# Altium PCB testjig-v1.PCBDOC (part 1 of 3)
Units mm, origin at the board's own origin, x right, y up, seen from the top; angles counter-clockwise.
Board outline 204.5 x 173.5 mm, 4 copper layers (L1, L2, L5, L6), stack 1.641 mm thick; 190 components, 128 nets, 1101 pads, 334 vias.
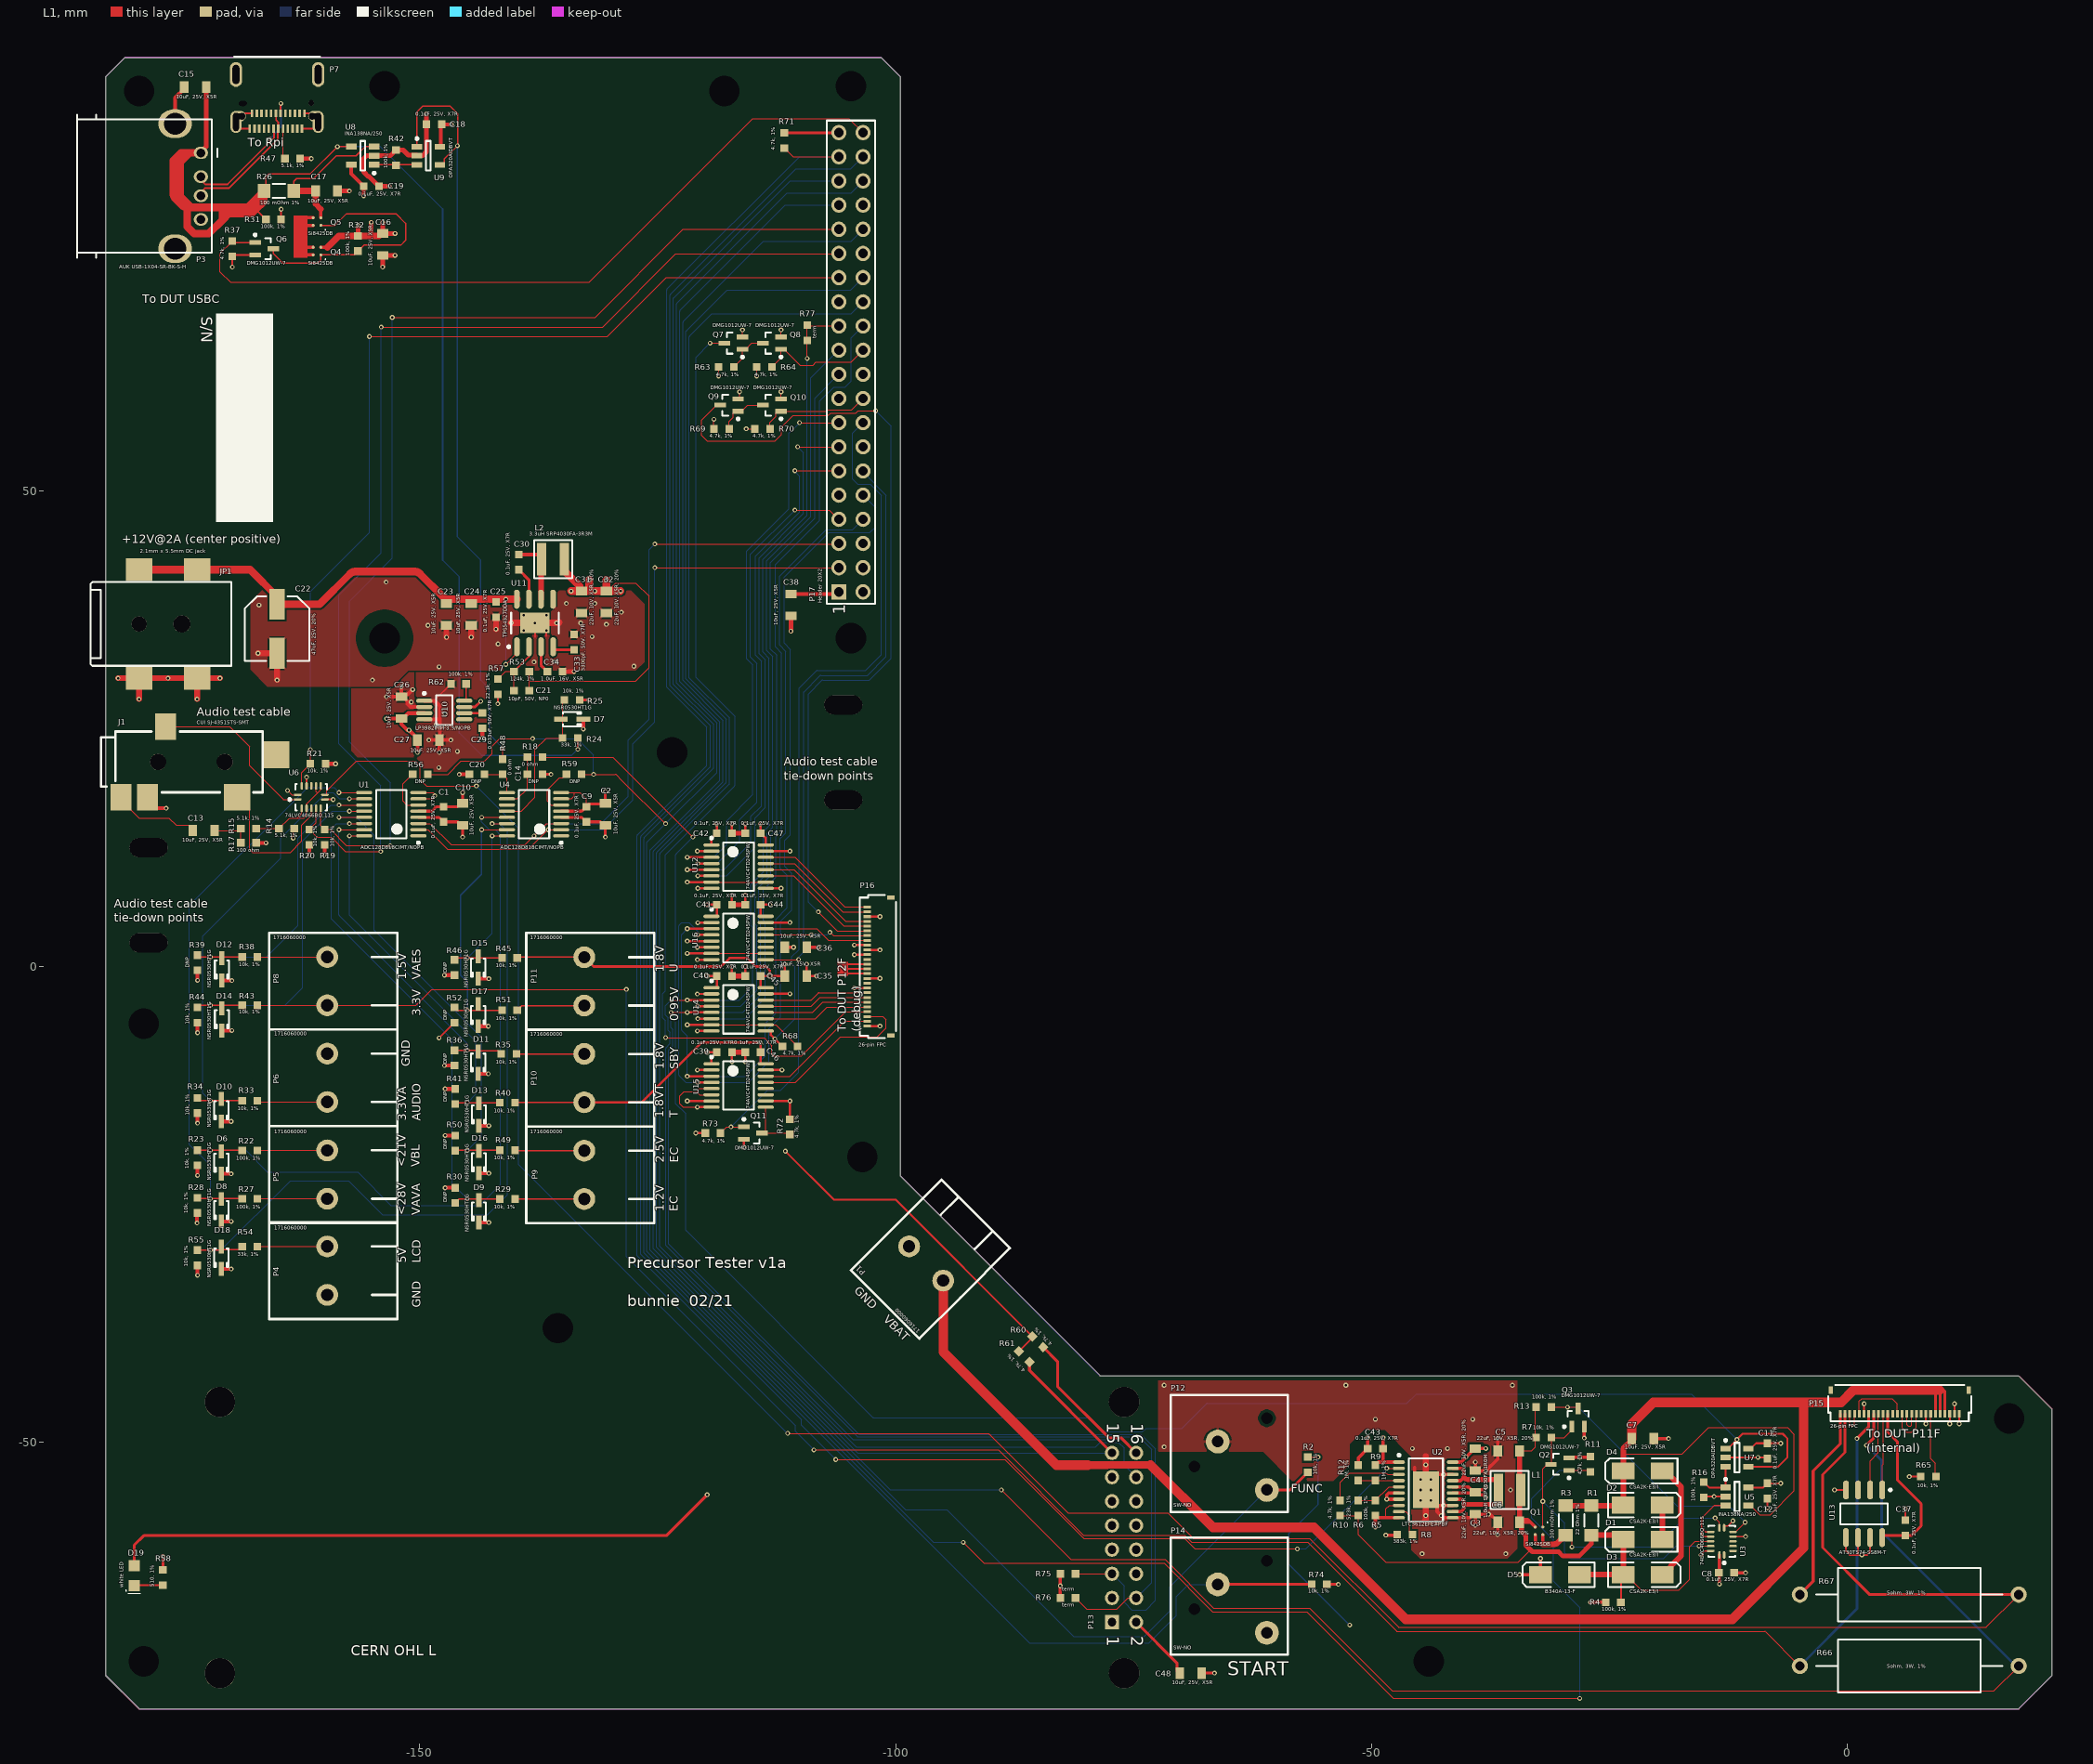
[diagram p0: L1 view]
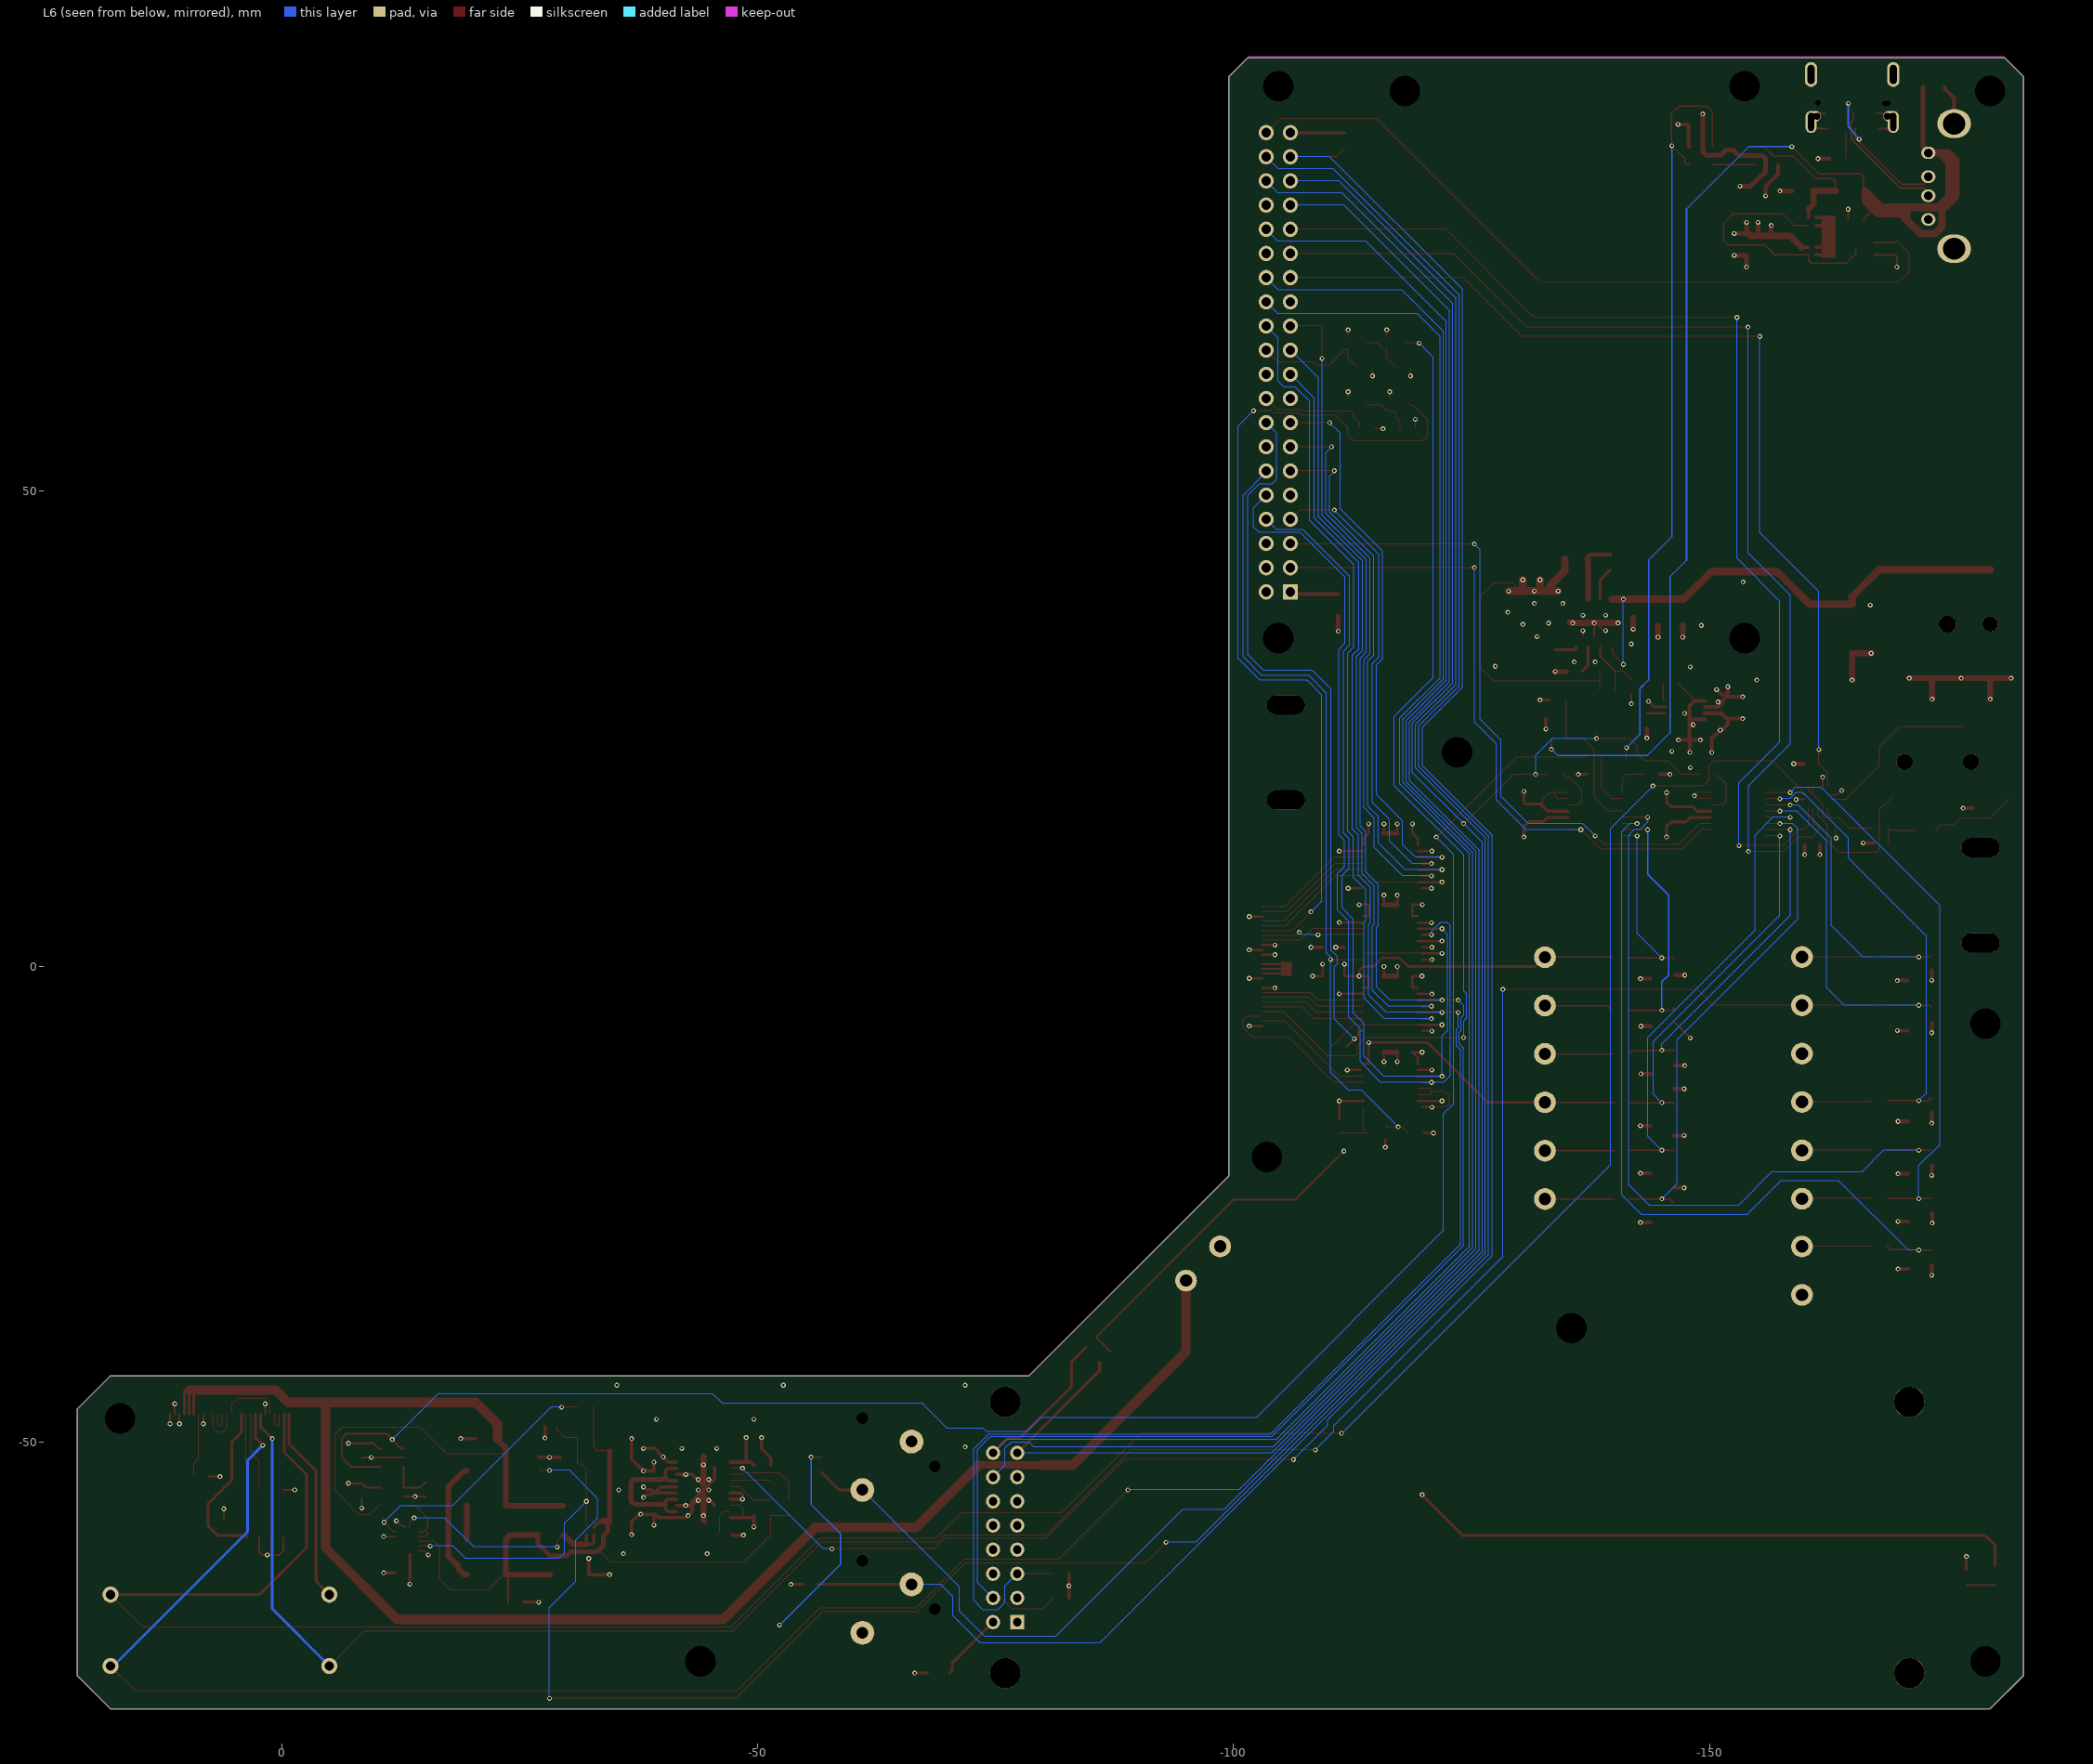
[diagram p1: L6 view, seen from below]
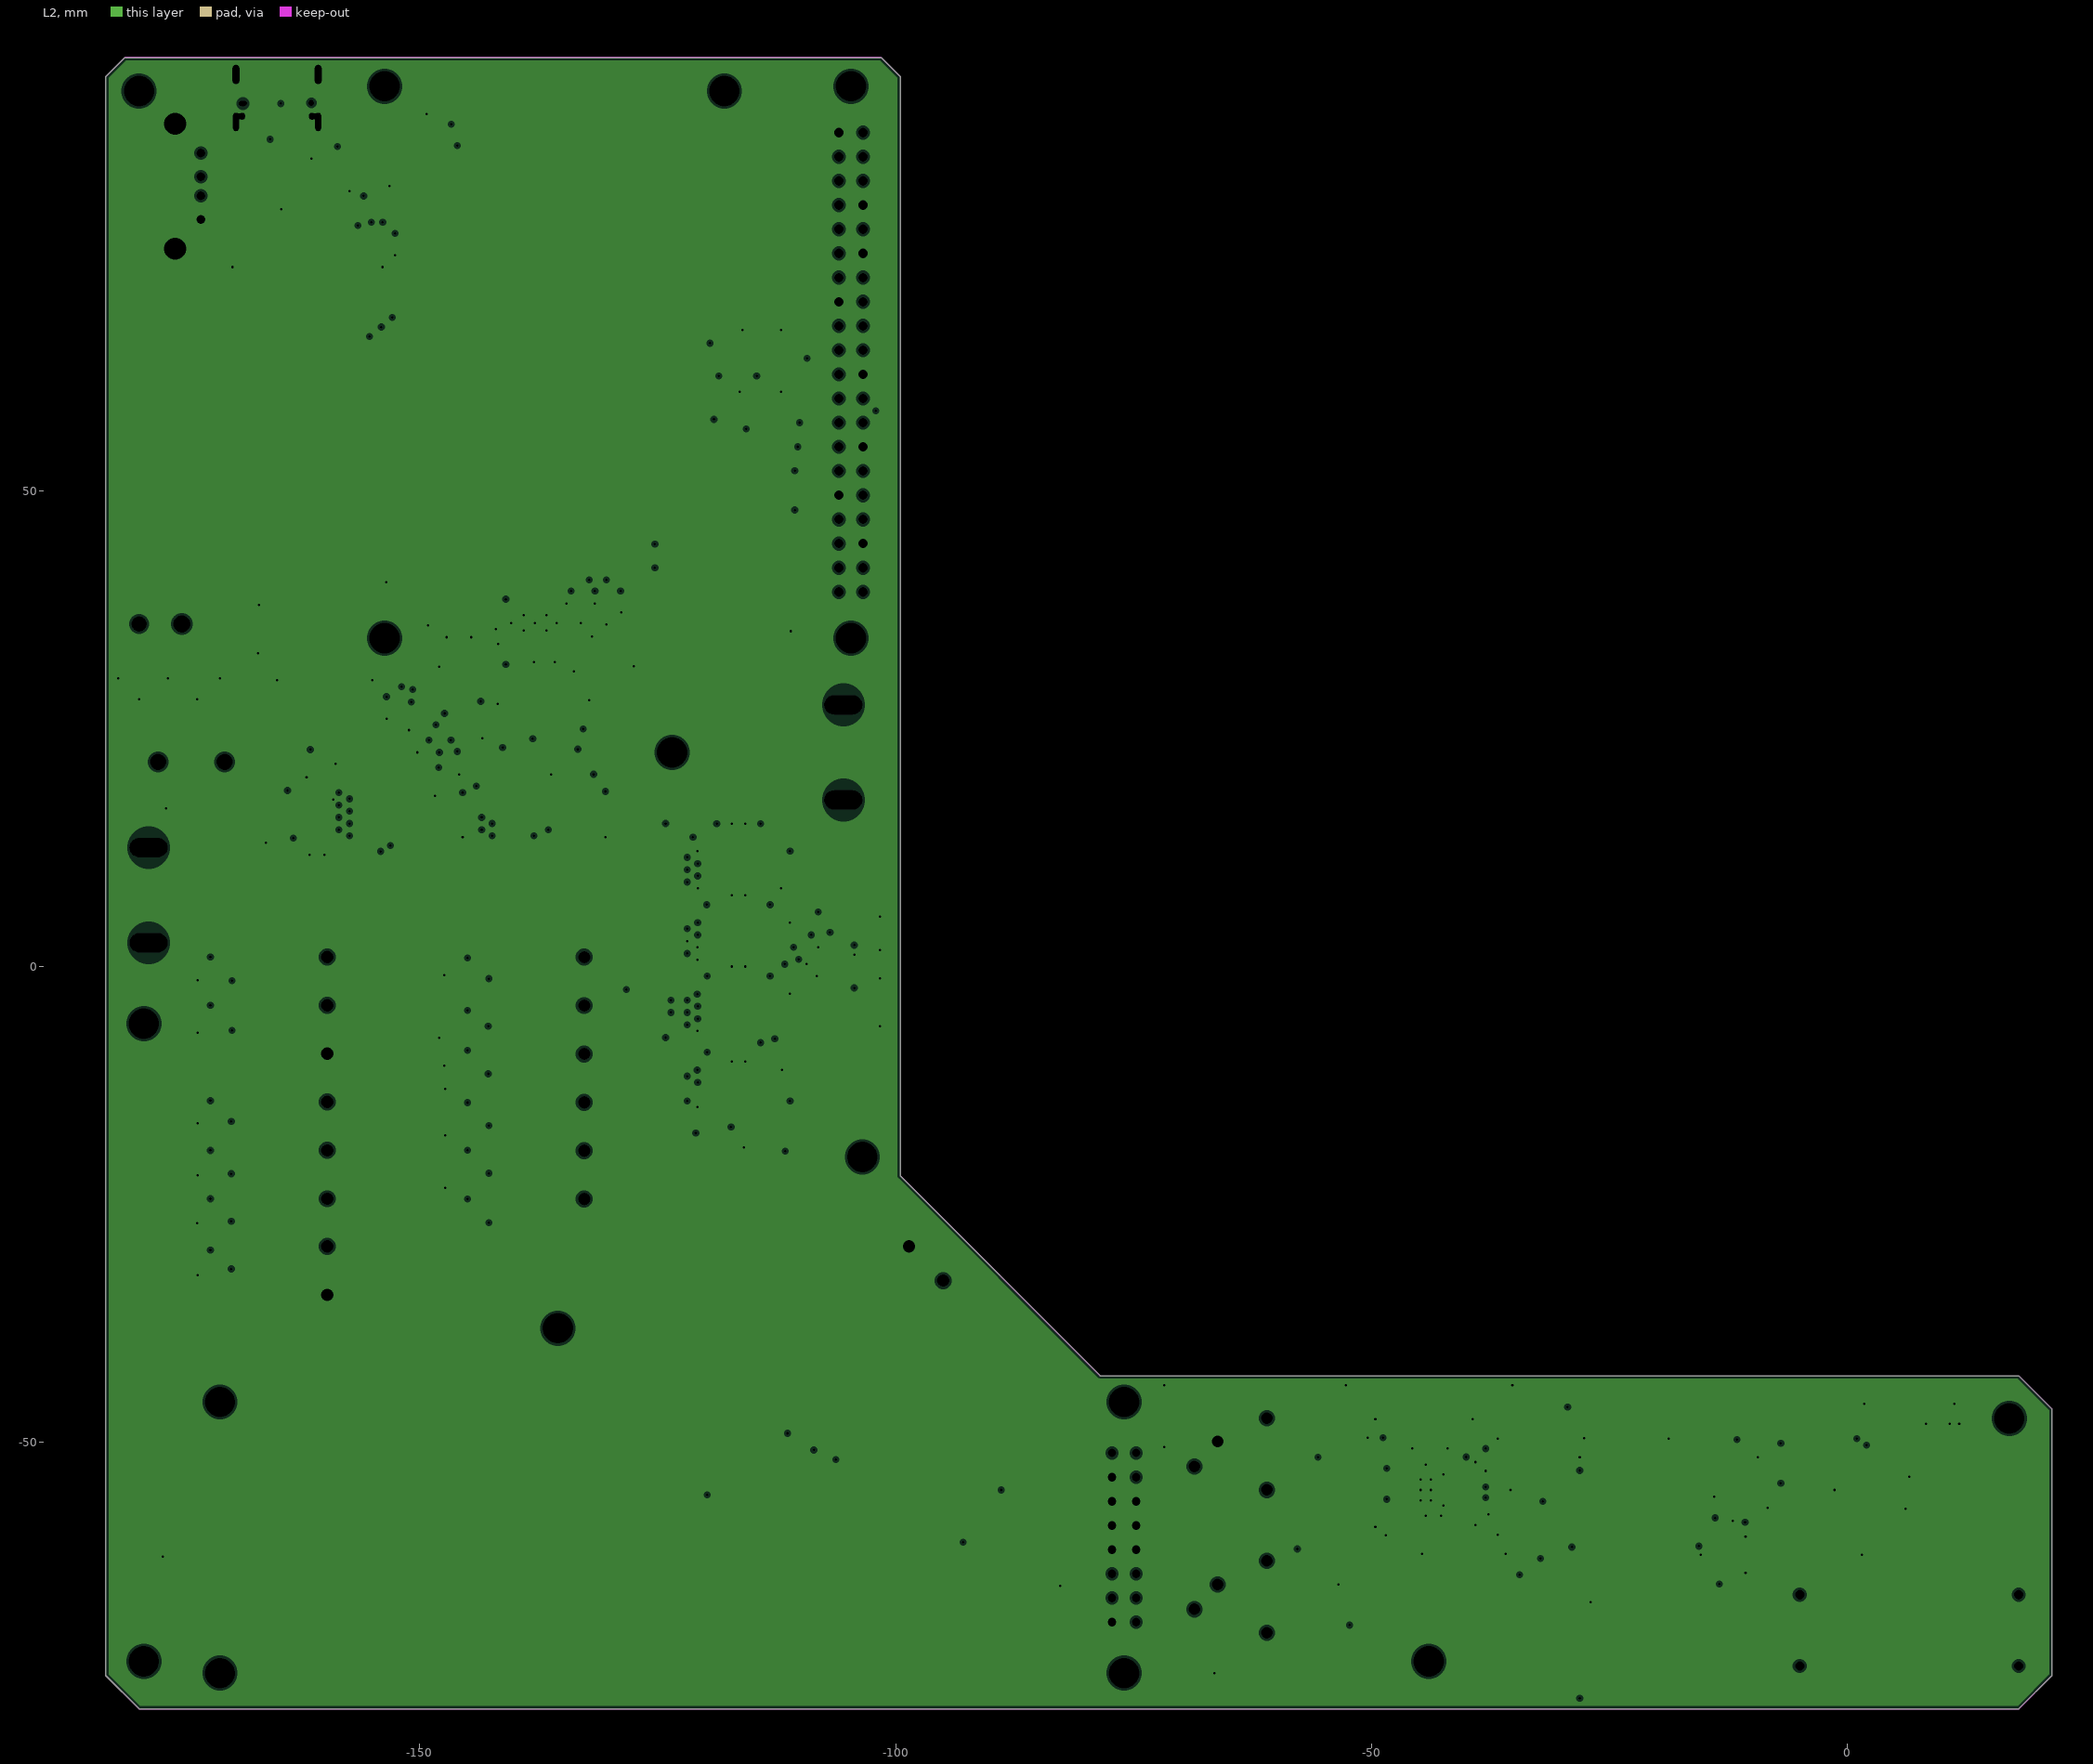
[diagram p2: L2, clearances drawn from the general rule]